# Altium PCB MB1419.PcbDoc (part 1 of 5) (continued)
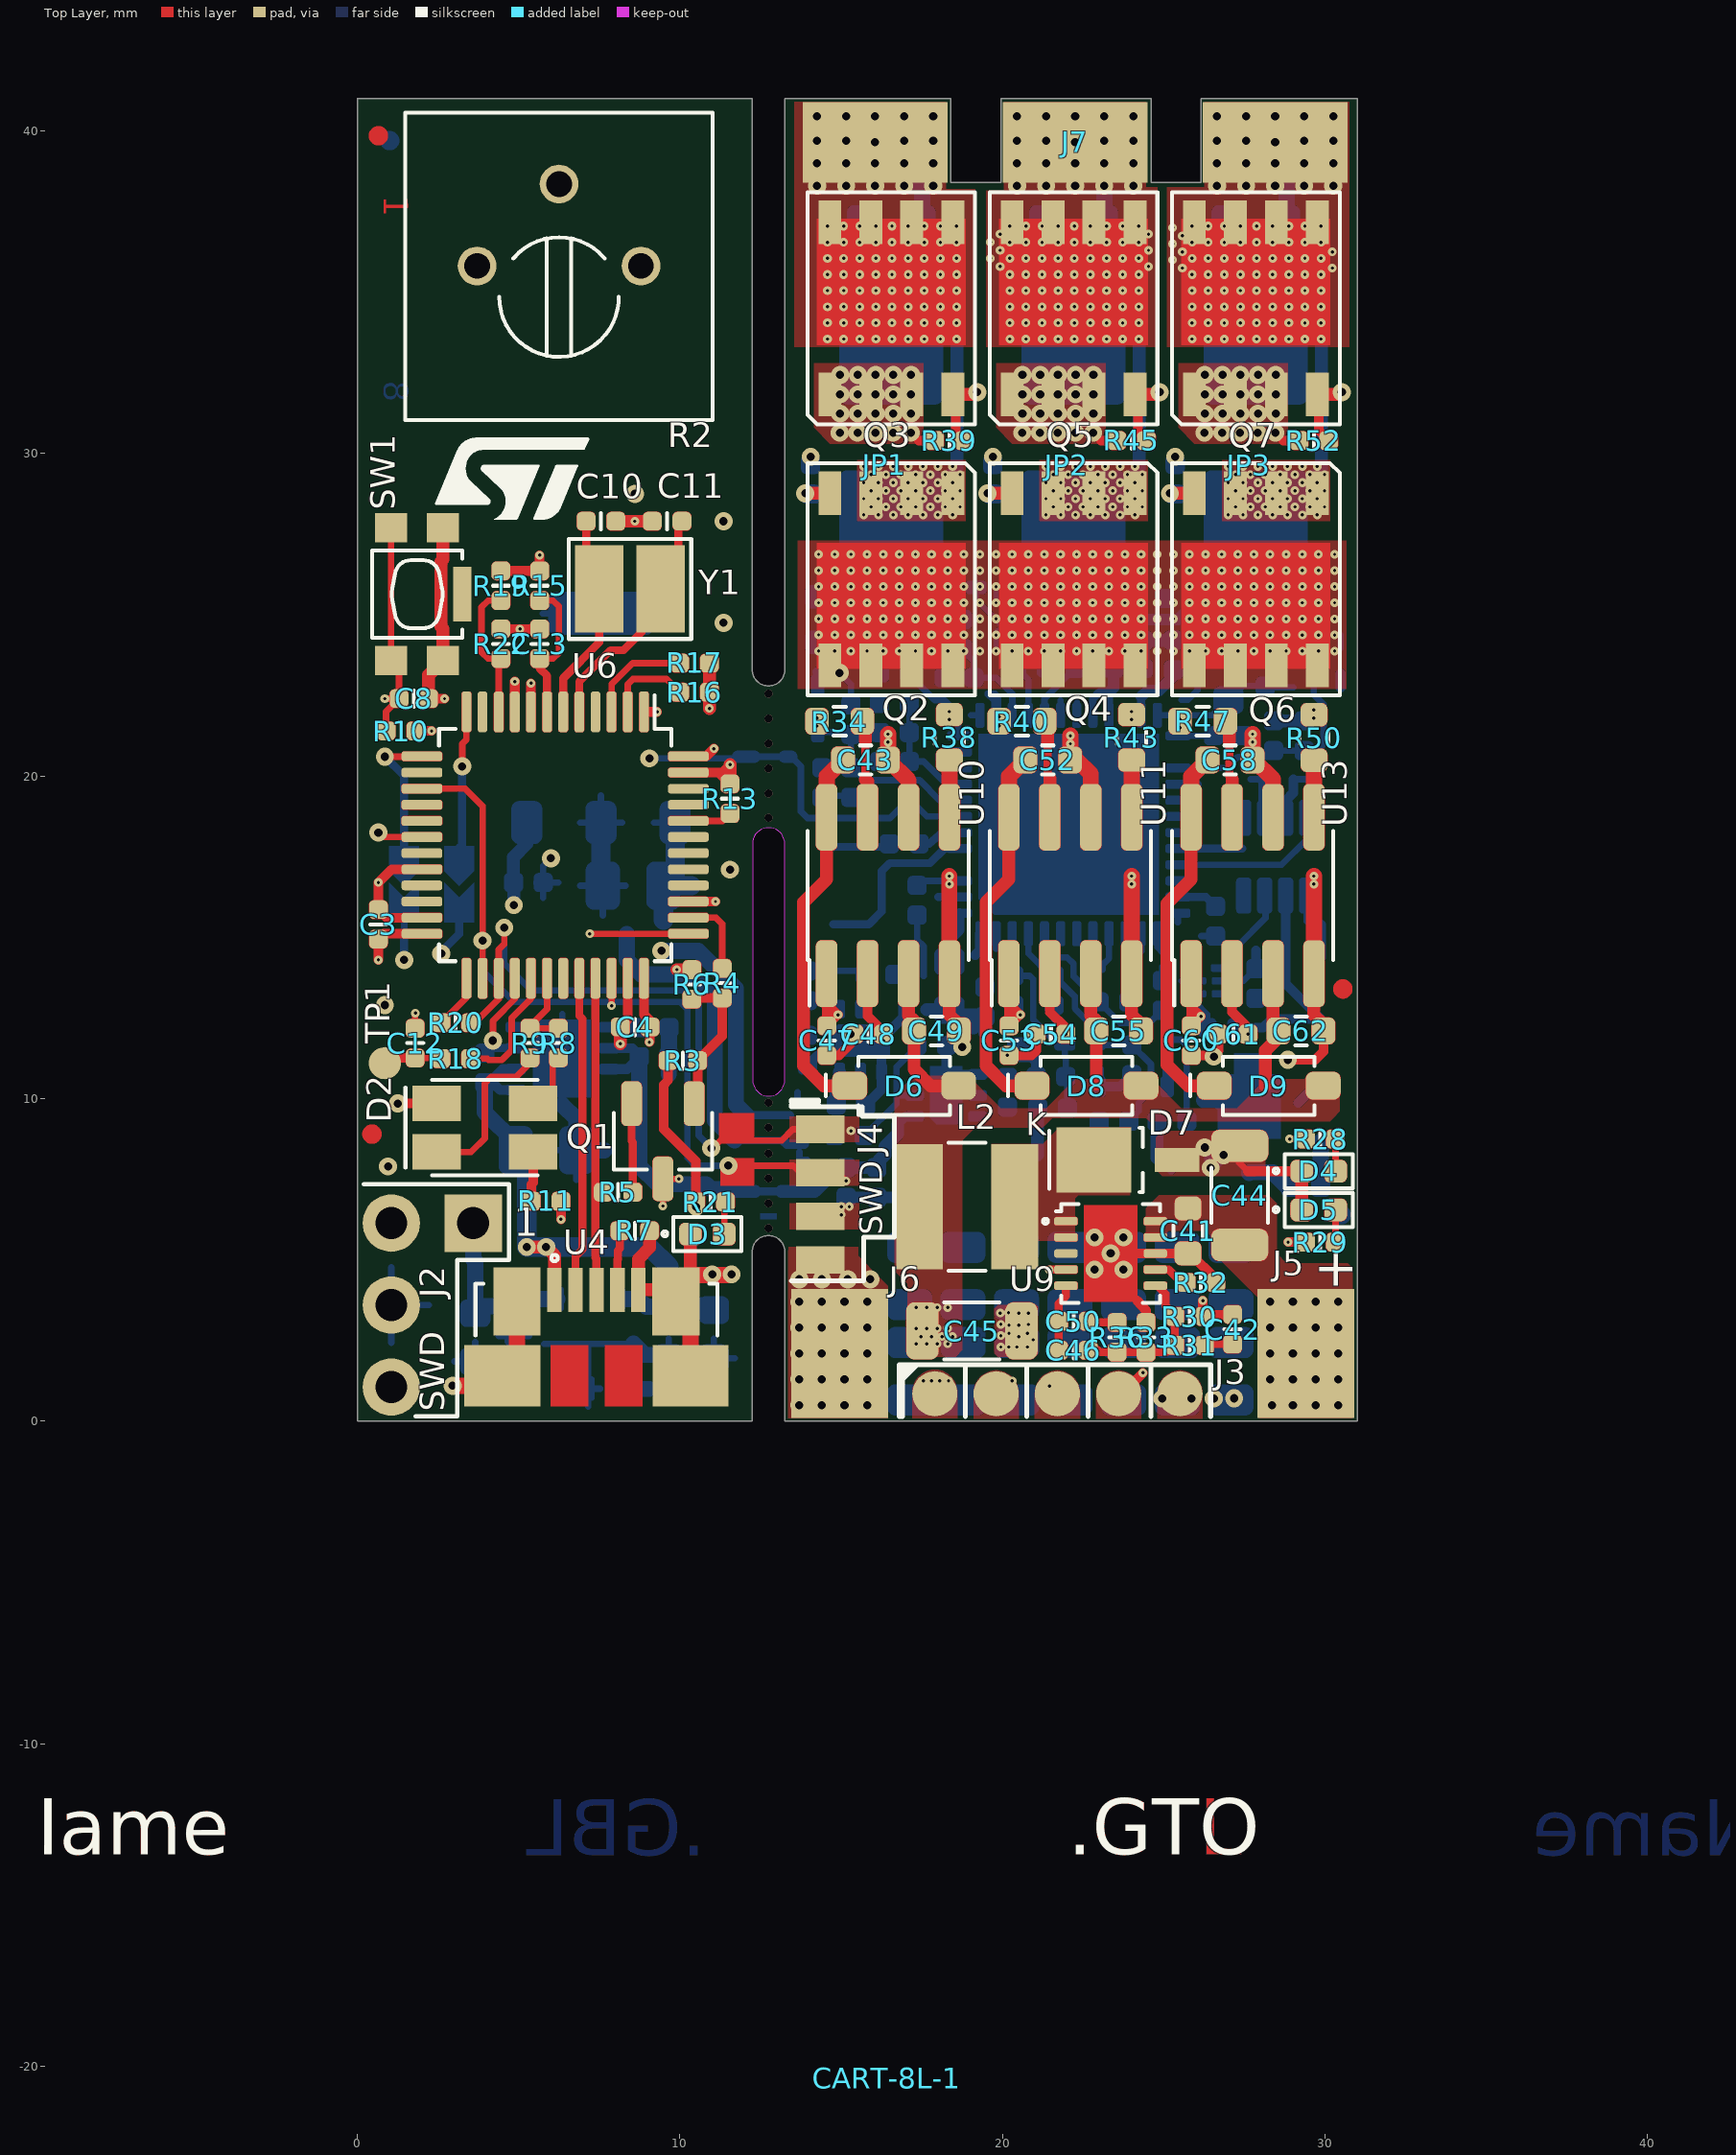
[diagram p0: Top Layer view]
## Components (designator, comment, footprint, x,y, rotation, side; value= is the part's Value field where it differs from the comment) (continued)
U7 "LD39050PU33R" son7p95_300x300x100l40x34t23-1 7.15,2.4 r0 bottom
U8 "STM32G431" qfn49p50_700x700x60l40x25t560n 22.05,18.5 r90 bottom
U9 "L7986TR" son11p50_300x300x100l40x24t2-1 23.35,5.2 r270 top
U10 "L6387ED" SOIC8P127_490X600X175L83X42N 16.45,16.3 r0 top
U11 "L6387ED" SOIC8P127_490X600X175L83X42N 22.1,16.3 r0 top
U12 "LDFPVR" son7p65_200x200x100l25x30t18-1 18.25,10.1 r90 bottom
U13 "L6387ED" SOIC8P127_490X600X175L83X42N 27.75,16.3 r0 top
U14 "LDFPVR" son7p65_200x200x100l25x30t18-1 15.6,11.8 r0 bottom
Y1 "NX3225GD-8MHZ-STD-CRA-3" xtaldfn2_320x250x100l130x230 8.45,25.8 r180 top
Y2 "8Mhz" murata_cstce8m00g15c99-r0 14.75,16.6 r90 bottom

## Footprints (in the part's own frame and the unit in brackets; to place one, negate y for a bottom-side part, rotate by r counter-clockwise, add the part's x,y. Pads: shape width x height; smd on the part's side, far side on the other; paste and mask are expansions set on the pad)
C_0402 [mm] "C_0402"
  rrect52% 0.58x0.58 smd mask+0.05: 1(-0.46,0) 2(0.46,0)
  silkscreen extent 0,-0.25 0,0.25, body extent -0.5,-0.25 0.5,0.25, height 0.55
C_0603 [mm] "C_0603"
  rrect50% 0.84x0.93 smd mask+0.05: 1(-0.745,0) 2(0.745,0)
  silkscreen extent -0.15,-0.45 0.14,0.45, body extent -0.82,-0.41 0.78,0.4, height 0.9
C_0603_HD [mm] "C_0603_HD"
  rrect51% 0.74x0.83 smd mask+0.05: 1(-0.695,0) 2(0.695,0)
  silkscreen extent -0.18,-0.45 0.17,0.45, body extent -0.8,-0.41 0.8,0.41, height 0.9
C_0805 [mm] "C_0805"
  rrect48% 1.05x1.48 smd mask+0.05: 1(-0.94,0) 2(0.94,0)
  silkscreen extent -0.23,-0.73 0.24,0.73, body extent -1,-0.63 1,0.63, height 1.4
C_0805_HD [mm] "C_0805_HD"
  rrect51% 0.95x1.38 smd mask+0.05: 1(-0.89,0) 2(0.89,0)
  silkscreen extent -0.26,-0.73 0.27,0.73, body extent -1,-0.63 1,0.63, height 1.4
C_1206 [mm] "C_1206"
  rrect50% 1x1.77 smd mask+0.05: 1(-1.535,0) 2(1.535,0)
  silkscreen extent -0.85,-0.88 0.85,0.88, body extent -1.6,-0.8 1.6,0.8, height 1.27
conn_micro_USB_B_SMD [mm] "CONN_MICRO_USB_B_SMD"
  rect 1.37x0.45 smd mask+0.05: 1(2.314,1.299) 2(2.314,0.649) 3(2.314,0) 4(2.314,-0.65) 5(2.314,-1.3)
  rect 2.11x1.47 smd mask+0.05: 6(1.946,2.463) 7(1.946,-2.463)
  rect 1.9x2.36 smd mask+0.05: 8(-0.35,2.919) 9(-0.35,-2.919)
  Top Layer region: -1.3,-1.425 0.6,-1.425 0.6,-0.25 -1.3,-0.25
  Top Layer region: -1.3,0.25 0.6,0.25 0.6,1.425 -1.3,1.425
  silkscreen extent 0.9,-3.75 3.4,3.75, body extent -2.81,-3.99 2.62,3.99, height 2.72
conn_motor_out [mm] "CONN_MOTOR_OUT"
  rect 4.5x2.5 / inner round 0.56 / far side rect 4.5x2.5 hole 0.254: 1(-6.2,0) 2(0,0) 3(6.2,0)
D_0402_Led_green [mm] "D_0402_LED_GREEN"
  rrect51% 0.7x0.7 smd mask+0.05: A(0.525,0) C(-0.525,0)
  silkscreen extent -1.39,-0.53 1.06,0.53, body extent -0.5,-0.3 0.5,0.3, height 0.08
D_0402_Led_red [mm] "D_0402_LED_RED"
  rrect51% 0.7x0.7 smd mask+0.05: A(0.525,0) C(-0.525,0)
  silkscreen extent -1.39,-0.53 1.06,0.53, body extent -0.5,-0.25 0.5,0.25, height 0.32
do216-aa-flat [mm] "DO216-AA-FLAT"
  rect 0.85x0.65 smd mask+0.05: A(-1.599,0)
  oct 0.025x0.025 smd: C(0.781,0)
  Top Layer region: -0.544,0.975 1.456,0.975 1.456,0.475 2.106,0.475 2.106,-0.475 1.456,-0.475 1.456,-0.975 -0.544,-0.975 -0.544,0.975
  silkscreen extent -1.51,-1 2.34,1, body extent -1.86,-0.95 1.94,0.95, height 0.85
do216-aa_stmite [mm] "DO216-AA_STMITE"
  rect 1.38x0.75 smd mask+0.05: A(1.555,0)
  rect 2.32x2.03 smd mask+0.05: C(-1.015,0)
  silkscreen extent -2.4,-1 0.5,1, body extent -2,-0.99 1.85,1.01, height 1.01
f_0402 [mm] "F_0402"
  rrect52% 0.58x0.58 smd mask+0.05: 1(0.46,0) 2(-0.46,0)
  silkscreen extent 0,-0.25 0,0.25, body extent -0.49,-0.25 0.5,0.25, height 0.38
ind_Coilcraft-LPS4018 [mm] "IND_COILCRAFT-LPS4018"
  rect 1.45x3.89 smd mask+0.05: 1(-1.475,0) 2(1.475,0)
  silkscreen extent -0.57,-1.99 0.57,1.99, body extent -1.99,-1.99 1.99,1.99, height 1.8
JUMPER_0603_DROP [mil] "JUMPER_0603_DROP"
  oct 1x1 smd: 1(-22.26,0) 2(22.45,0)
  Top Layer region: -46.87,-18.12 1.95,-18.12 -16.16,-0.01 1.95,18.1 -46.87,18.1 -46.87,-18.12
  Top Layer region: 46.66,-18.12 15.95,-18.12 -2.16,-0.01 15.95,18.1 46.66,18.1 46.66,-18.12
  silkscreen extent -59,-30 59,30, body extent -31,-17 31,17, height 20
L_0402 [mm] "L_0402"
  rrect52% 0.58x0.58 smd mask+0.05: 1(0.46,0) 2(-0.46,0)
  silkscreen extent 0,-0.25 0,0.25, body extent -0.5,-0.25 0.5,0.25, height 0.55
Led_bicolor_3528-PLCC-4 [mm] "LED_BICOLOR_3528-PLCC-4"
  rect 1.5x1.1 smd mask+0.05: A1(1.5,0.75) A2(1.5,-0.753) C1(-1.5,0.75) C2(-1.5,-0.753)
  silkscreen extent -2.46,-1.48 1.64,1.48, body extent -1.75,-1.4 1.75,1.4, height 1.91
murata_cstce8m00g15c99-r0 [mm] "MURATA_CSTCE8M00G15C99-R0"
  rect 0.4x2 smd mask+0.05: 1(-1.2,0) 2(0,0) 3(1.2,0)
  silkscreen extent -2.1,-0.65 1.6,0.65, body extent -1.6,-0.65 1.6,0.65, height 0.7
power_flat_5x6 [mm] "POWER_FLAT_5X6"
  rect 0.71x1.35 smd mask+0.05: 1(-1.905,-2.665) 2(-0.635,-2.665) 3(0.635,-2.665) 4(1.905,-2.665) 5(1.905,2.665) 6(0.635,2.665) 7(-0.635,2.665) 8(-1.905,2.665)
  Top Layer region: 2.3,-1.13 2.3,2.77 -2.3,2.77 -2.3,-1.13 2.3,-1.13
  silkscreen extent -2.6,-3.6 2.6,3.6, body extent -2.61,-3.1 2.59,3.05, height 0.98
qfn49p50_700x700x60l40x25t560n [mm] "QFN49P50_700X700X60L40X25T560N"
  rrect52% 0.27x0.76 smd mask+0.05: 1(-2.75,-3.385) 2(-2.25,-3.385) 3(-1.75,-3.385) 4(-1.25,-3.385) 5(-0.75,-3.385) 6(-0.25,-3.385) 7(0.25,-3.385) 8(0.75,-3.385) 9(1.25,-3.385) 10(1.75,-3.385) 11(2.25,-3.385) 12(2.75,-3.385) 25(2.75,3.385) 26(2.25,3.385) 27(1.75,3.385) 28(1.25,3.385) 29(0.75,3.385) 30(0.25,3.385) 31(-0.25,3.385) 32(-0.75,3.385) 33(-1.25,3.385) 34(-1.75,3.385) 35(-2.25,3.385) 36(-2.75,3.385)
  rrect52% 0.76x0.27 smd mask+0.05: 13(3.385,-2.75) 14(3.385,-2.25) 15(3.385,-1.75) 16(3.385,-1.25) 17(3.385,-0.75) 18(3.385,-0.25) 19(3.385,0.25) 20(3.385,0.75) 21(3.385,1.25) 22(3.385,1.75) 23(3.385,2.25) 24(3.385,2.75) 37(-3.385,2.75) 38(-3.385,2.25) 39(-3.385,1.75) 40(-3.385,1.25) 41(-3.385,0.75) 42(-3.385,0.25) 43(-3.385,-0.25) 44(-3.385,-0.75) 45(-3.385,-1.25) 46(-3.385,-1.75) 47(-3.385,-2.25) 48(-3.385,-2.75)
  oct 0.025x0.025 smd mask+0.05: 49(0,0)
  Top Layer region: -2.8,2.8 -2.8,-2.3 -2.3,-2.8 2.8,-2.8 2.8,2.8 -2.8,2.8
  silkscreen extent -3.55,-3.74 3.55,3.55, body extent -3.51,-3.51 3.51,3.51, height 0.78
qfp48p50_900x900x160l60x22n [mm] "QFP48P50_900X900X160L60X22N"
  rrect53% 0.3x1.26 smd mask+0.05: 1(-2.75,-4.13) 2(-2.25,-4.13) 3(-1.75,-4.13) 4(-1.25,-4.13) 5(-0.75,-4.13) 6(-0.25,-4.13) 7(0.25,-4.13) 8(0.75,-4.13) 9(1.25,-4.13) 10(1.75,-4.13) 11(2.25,-4.13) 12(2.75,-4.13) 25(2.75,4.13) 26(2.25,4.13) 27(1.75,4.13) 28(1.25,4.13) 29(0.75,4.13) 30(0.25,4.13) 31(-0.25,4.13) 32(-0.75,4.13) 33(-1.25,4.13) 34(-1.75,4.13) 35(-2.25,4.13) 36(-2.75,4.13)
  rrect53% 1.26x0.3 smd mask+0.05: 13(4.13,-2.75) 14(4.13,-2.25) 15(4.13,-1.75) 16(4.13,-1.25) 17(4.13,-0.75) 18(4.13,-0.25) 19(4.13,0.25) 20(4.13,0.75) 21(4.13,1.25) 22(4.13,1.75) 23(4.13,2.25) 24(4.13,2.75) 37(-4.13,2.75) 38(-4.13,2.25) 39(-4.13,1.75) 40(-4.13,1.25) 41(-4.13,0.75) 42(-4.13,0.25) 43(-4.13,-0.25) 44(-4.13,-0.75) 45(-4.13,-1.25) 46(-4.13,-1.75) 47(-4.13,-2.25) 48(-4.13,-2.75)
  silkscreen extent -3.6,-4.64 3.6,3.6, body extent -4.5,-4.5 4.5,4.5, height 1.45
R_0402 [mm] "R_0402"
  rrect52% 0.58x0.58 smd mask+0.05: 1(-0.46,0) 2(0.46,0)
  silkscreen extent 0,-0.25 0,0.25, body extent -0.5,-0.25 0.5,0.25, height 0.4
r_0402 [mm] "R_0402"
  rrect52% 0.58x0.58 smd mask+0.05: 1(-0.46,0) 2(0.46,0)
  silkscreen extent 0,-0.25 0,0.25, body extent -0.5,-0.25 0.5,0.25, height 0.4
R_0603 [mm] "R_0603"
  rrect50% 0.84x0.93 smd mask+0.05: 1(-0.745,0) 2(0.745,0)
  silkscreen extent -0.15,-0.45 0.14,0.45, body extent -0.79,-0.43 0.79,0.42, height 0.5
R_0603_HD [mm] "R_0603_HD"
  rrect50% 0.72x0.83 smd mask+0.05: 1(-0.705,0) 2(0.705,0)
  silkscreen extent -0.19,-0.45 0.2,0.45, body extent -0.79,-0.43 0.79,0.43, height 0.5
R_0805 [mm] "R_0805"
  rrect49% 0.81x1.38 smd mask+0.05: 1(0.96,0) 2(-0.96,0)
  silkscreen extent -0.38,-0.68 0.38,0.68, body extent -1,-0.63 1,0.63, height 0.7
resc635x300x60l193n [mm] "RESC635X300X60L193N"
  rrect18% 2.78x3.22 smd mask+0.05: 1(-2.415,0) 2(2.415,0)
  silkscreen extent -0.84,-1.6 0.84,1.6, body extent -3.15,-1.58 3.15,1.58, height 0.7
Sheetbox_8L2S [mil] "Sheetbox 8 layers / 2 silkscreens"
  round 20 on Mech16: 1(813.5,208.05) 1(2736.63,208.05)
SHORT [mm] "SHORT"
  rect 0.462x0.2 on Mid4: 1(-0.226,0) 2(0.201,0)
SOD_123 [mm] "SOD_123"
  rrect51% 1.08x0.86 smd mask+0.05: A(1.69,0) C(-1.69,0)
  silkscreen extent -2.43,-0.9 1.42,0.9, body extent -1.85,-0.8 1.85,0.8, height 1.27
sodfl160x80x65l30x30n [mm] "SODFL160X80X65L30X30N"
  rrect50% 0.64x0.4 smd mask+0.05: A(0.73,0) C(-0.73,0)
  silkscreen extent -1.23,-0.43 0.63,0.43, body extent -0.8,-0.4 0.8,0.4, height 0.65
SOIC8P127_490X600X175L83X42N [mm] "SOIC8P127_490X600X175L83X42N"
  rrect52% 0.66x2.07 smd mask+0.05: 1(-1.905,-2.425) 2(-0.635,-2.425) 3(0.635,-2.425) 4(1.905,-2.425) 5(1.905,2.425) 6(0.635,2.425) 7(-0.635,2.425) 8(-1.905,2.425)
  silkscreen extent -2.5,-3.41 2.5,2, body extent -2.45,-3 2.45,3, height 1.75
SOLDER_PAD_4PIN_rect_SMD [mm] "SOLDER_PAD_4PIN_RECT_SMD"
  rect 0.85x1.5 smd paste-100 mask+0.05: 1(0,0) 2(1.35,0) 3(2.7,0) 4(4.05,0)
SOLDER_PAD_4PIN_SMD [mm] "SOLDER_PAD_4PIN_SMD"
  round 1.4 smd paste-100 mask+0.05: 1(0,0) 2(1.9,0) 3(3.8,0) 4(5.7,0)
SOLDER_PAD_5PIN_SMD [mm] "SOLDER_PAD_5PIN_SMD"
  round 1.4 smd paste-2.54 mask+0.05: 1(0,0) 2(1.9,0) 3(3.8,0) 4(5.7,0) 5(7.6,0)
son6p40_120x100x55l35x20 [mm] "SON6P40_120X100X55L35X20"
  rrect55% 0.22x0.69 smd mask+0.04: 1(-0.4,-0.405)
  rrect55% 0.22x0.66 smd mask+0.04: 2(0,-0.42) 3(0.4,-0.42) 4(0.4,0.42) 5(0,0.42) 6(-0.4,0.42)
  silkscreen extent -0.69,-0.69 0.69,0.53, body extent -0.6,-0.55 0.6,0.55, height 0.55
son7p65_200x200x100l25x30t18-1 [mm] "SON7P65_200X200X100L25X30T18-1"
  rrect50% 0.32x0.56 smd mask+0.05: 1(-0.65,-0.975) 2(0,-0.975) 3(0.65,-0.975) 4(0.65,0.975) 5(0,0.975) 6(-0.65,0.975)
  oct 0.025x0.025 smd paste-100 mask+0: 7(0,0)
  Top Layer region: -0.9,0.5 -0.9,-0.3 -0.7,-0.5 0.9,-0.5 0.9,0.5 -0.9,0.5
  silkscreen extent -1.08,-1.2 1.08,1, body extent -1,-1 1,1, height 0.75
son7p95_300x300x100l40x34t23-1 [mm] "SON7P95_300X300X100L40X34T23-1"
  rrect50% 0.4x0.75 smd mask+0.05: 1(0.95,1.39) 2(0,1.39) 3(-0.95,1.39) 4(-0.95,-1.39) 5(0,-1.39) 6(0.95,-1.39)
  rect 2.365x1.625 smd paste-100 mask+0.05: 7(0,0)
  silkscreen extent -1.55,-1.55 1.55,2.03, body extent -1.5,-1.55 1.5,1.55, height 0.75
son9p65_300x300x90l30x30t240-1 [mm] "SON9P65_300X300X90L30X30T240-1"
  rrect50% 0.32x0.61 smd mask+0.05: 1(-0.975,-1.445) 2(-0.325,-1.445) 3(0.325,-1.445) 4(0.975,-1.445) 5(0.975,1.445) 6(0.325,1.445) 7(-0.325,1.445) 8(-0.975,1.445)
  oct 0.025x0.025 smd paste-100 mask+0: 9(0,0)
  Top Layer region: -1.2,0.9 -1.2,-0.6 -0.9,-0.9 1.2,-0.9 1.2,0.9 -1.2,0.9
  silkscreen extent -1.53,-1.69 1.53,1.53, body extent -1.5,-1.55 1.5,1.55, height 1
son11p50_300x300x100l40x24t2-1 [mm] "SON11P50_300X300X100L40X24T2-1"
  rrect54% 0.26x0.73 smd mask+0.05: 1(-1,-1.385) 2(-0.5,-1.385) 3(0,-1.385) 4(0.5,-1.385) 5(1,-1.385) 6(1,1.385) 7(0.5,1.385) 8(0,1.385) 9(-0.5,1.385) 10(-1,1.385)
  oct 0.025x0.025 smd paste-100: 11(0,0)
  Top Layer region: 1.5,-0.82 1.5,0.82 -1.5,0.82 -1.5,-0.82 1.5,-0.82
  silkscreen extent -1.53,-2.09 1.53,1.53, body extent -1.5,-1.55 1.5,1.55, height 1
sot23-3p97_255x140l40x40n [mm] "SOT23-3P97_255X140L40X40N"
  rrect50% 0.64x1.38 smd mask+0.05: 1(-0.97,-1.165) 2(0.97,-1.165) 3(0,1.165)
  silkscreen extent -1.52,-0.88 1.52,0.88, body extent -1.45,-1.4 1.45,1.4, height 1.45
sot23-8p65_280x145l45x30n [mm] "SOT23-8P65_280X145L45X30N"
  rrect52% 0.46x1.11 smd mask+0.045: 1(-0.975,-1.205) 2(-0.325,-1.205) 3(0.325,-1.205) 4(0.975,-1.205) 5(0.975,1.205) 6(0.325,1.205) 7(-0.325,1.205) 8(-0.975,1.205)
  silkscreen extent -1.5,-1.7 1.5,0.88, body extent -1.47,-1.4 1.47,1.4, height 1.2
sot223-4p230_700x190l65x72 [mm] "SOT223-4P230_700X190L65X72"
  rrect51% 0.95x1.32 smd mask+0.05: 1(2.3,3.24) 2(0,3.24) 3(-2.3,3.24)
  rrect36% 3.25x1.32 smd mask+0.05: 4(0,-3.24)
  silkscreen extent -3.35,-1.85 3.35,3.84, body extent -3.25,-3.44 3.25,3.56, height 1.66
strip4_100m_v [mil] "STRIP4_100M_V"
  rect 70x70 hole 39 mask+3.94: 1(0,100)
  round 70 hole 39 mask+3.94: 2(0,0) 3(100,0) 4(200,0)
switch_SMT_4_2x2_8mm [mm] "SWITCH_SMT_4_2X2_8MM"
  rect 0.9x1 smd mask+0.05: 1(-2.056,0.805) 2(2.056,0.805) 3(-2.056,-0.805) 4(2.056,-0.805)
  rect 1.7x0.56 smd mask+0.05: " "(0,1.4)
  silkscreen extent -1.35,-1.4 1.35,1.4, body extent -2.31,-1.39 2.29,1.41, height 1.92
test_point_100_smd [mm] "TEST_POINT_100_SMD"
  round 1 smd paste-100 mask+0.05: 1(0,0)
trimmer-3386P_T [mm] "TRIMMER-3386P_T"
  round 1.2 hole 0.8 mask+0.1: 1(2.54,-0.015) 2(0,-2.555) 3(-2.54,-0.015)
  silkscreen extent -4.76,-4.76 4.76,4.76, body extent -4.8,-4.85 4.78,4.73, height 10.55
wire1_220s [mm] "WIRE1_220S"
  rect 3x4 smd paste-100 mask+0.05: 1(0,0)
xtaldfn2_320x250x100l130x230 [mm] "XTALDFN2_320X250X100L130X230"
  rect 1.5x2.7 smd mask+0.05: 1(-0.95,0) 2(0.95,0)
  silkscreen extent -1.9,-1.55 1.9,1.55, body extent -1.61,-1.25 1.59,1.25, height 1.01

## Part data
C1 C2 C3 C4 C5 C9 C17 C18 C20 C21 C22 C23 C24: library part CAP_Dup1, "CAP CER 0.1UF 16V X7R 0402", Dielectric Type=Capacitors, Manufacturer="Wurth Electronics Inc.", Manufacturer PN=885012205037, Package Size="0402 (1005 Metric)", Rated Voltage=16V, Temperature Coefficient=X7R, Tolerance=10%, CLASS=DISCRETE, PART_NUMBER=CAP-00000053
C6: library part CAP_Dup1, "CAP CER 10UF 16V X5R 0805", Dielectric Type=Capacitors, Manufacturer="Wurth Electronics Inc.", Manufacturer PN=885012107014, Package Size="0805 (2012 Metric)", Rated Voltage=16V, Temperature Coefficient=X5R, Tolerance=20%, CLASS=DISCRETE, PART_NUMBER=TMP-409
C7: library part CAP_Dup1, "CAP CER 4.7UF 16V X5R 0805", Dielectric Type=Capacitors, Manufacturer="Wurth Electronics Inc.", Manufacturer PN=885012107013, Package Size="0805 (2012 Metric)", Rated Voltage=16V, Temperature Coefficient=X5R, Tolerance=20%, CLASS=DISCRETE, PART_NUMBER=TMP-410
C8: library part CAP_Dup1, "CAP CER 100PF 10V C0G/NP0 0402", Dielectric Type=Capacitors, Manufacturer="Wurth Electronics Inc.", Manufacturer PN=885012005013, Package Size="0402 (1005 Metric)", Rated Voltage=10V, Temperature Coefficient="C0G, NP0", Tolerance=5%, CLASS=DISCRETE, PART_NUMBER=TMP-412
C10 C11: library part CAP_7, "CAP CER 10PF 10V C0G/NP0 0402", Dielectric Type=Capacitors, Manufacturer="Wurth Electronics Inc.", Manufacturer PN=885012005007, Package Size="0402 (1005 Metric)", Rated Voltage=10V, Temperature Coefficient="C0G, NP0", Tolerance=5%, CLASS=DISCRETE, PART_NUMBER=TMP-395
C12: library part CAP_6, "CAP CER 0402-NOT MOUNTED", Package Size="0402 (1005 Metric)", CLASS=DISCRETE, PART_NUMBER=TMP-408
C13: library part CAP_8, "CAP CER 0.1UF 16V X7R 0402", Dielectric Type=Capacitors, Manufacturer="Wurth Electronics Inc.", Manufacturer PN=885012205037, Package Size="0402 (1005 Metric)", Rated Voltage=16V, Temperature Coefficient=X7R, Tolerance=10%, CLASS=DISCRETE, PART_NUMBER=CAP-00000053
C14 C16: library part CAP_Dup1, "CAP CER 1UF 16V X5R 0603", Dielectric Type=Capacitors, Manufacturer=Yageo, Manufacturer PN=CC0603KRX5R7BB105, Package Size="0603 (1608 Metric)", Rated Voltage=16V, Temperature Coefficient=X5R, Tolerance=10%, CLASS=DISCRETE, PART_NUMBER=TMP-302
C15: library part CAP_Dup1, "CAP CER 0.1UF 16V X7R 0603", Dielectric Type=Capacitors, Manufacturer="Wurth Electronics Inc.", Manufacturer PN=885012206046, Package Size="0603 (1608 Metric)", Rated Voltage=16V, Temperature Coefficient=X7R, Tolerance=10%, CLASS=DISCRETE, PART_NUMBER=CAP-00000052
C19: library part CAP_Dup1, "CAP CER 4.7UF 10V X5R 0603", Dielectric Type=Capacitors, Manufacturer="Wurth Electronics Inc.", Manufacturer PN=885012106012, Package Size="0603 (1608 Metric)", Rated Voltage=10V, Temperature Coefficient=X5R, Tolerance=20%, CLASS=DISCRETE, PART_NUMBER=TMP-414
C25 C56 C63: library part CAP_Dup1, "CAP CER 1UF 25V X5R 0402", Dielectric Type=Capacitors, Manufacturer="Murata Electronics North America", Manufacturer PN=GRM155R61E105KA12D, Package Size="0402 (1005 Metric)", Rated Voltage=25V, Temperature Coefficient=X5R, Tolerance=10%, CLASS=DISCRETE, PART_NUMBER=CAP-00000006
C26: library part CAP_Dup1, "CAP CER 10000PF 16V X7R 0402", Dielectric Type=Capacitors, Manufacturer="Wurth Electronics Inc.", Manufacturer PN=885012205031, Package Size="0402 (1005 Metric)", Rated Voltage=16V, Temperature Coefficient=X7R, Tolerance=10%, CLASS=DISCRETE, PART_NUMBER=TMP-422
C27 C28 C29 C30 C31 C32 C33 C34 C35 C36 C37 C38 C39 C40: library part CAP_Dup1, "CAP CER 15UF 35V X5R 0805", Dielectric Type=Capacitors, Manufacturer="TDK Corporation", Manufacturer PN=C2012X5R1V156M125AC, Package Size="0805 (2012 Metric)", Rated Voltage=35V, Temperature Coefficient=X5R, Tolerance=20%, ALT_SYMBOLS=C_0805_hd, CLASS=DISCRETE, PART_NUMBER=TMP-773
C41: library part CAP_Dup1, "CAP CER 0.22UF 50V X7R 0603", Dielectric Type=Capacitors, Manufacturer="TDK Corporation", Manufacturer PN=CGA3E3X7R1H224K080AD, Package Size="0603 (1608 Metric)", Rated Voltage=50V, Temperature Coefficient=X7R, Tolerance=10%, ALT_SYMBOLS=c_0603_hd, CLASS=DISCRETE, PART_NUMBER=TMP-138
C42: library part CAP_Dup1, "CAP CER 3900PF 16V X7R 0402", Dielectric Type=Capacitors, Manufacturer=KEMET, Manufacturer PN=C0402C392K4RAC7867, Package Size="0402 (1005 Metric)", Rated Voltage=16V, Temperature Coefficient=X7R, Tolerance=10%, CLASS=DISCRETE, PART_NUMBER=TMP-419
C43 C52 C58: library part CAP_Dup1, "CAP CER 1UF 25V X7R 0603", Dielectric Type=Capacitors, Manufacturer="Wurth Electronics Inc.", Manufacturer PN=885012206076, Package Size="0603 (1608 Metric)", Rated Voltage=25V, Temperature Coefficient=X7R, Tolerance=10%, ALT_SYMBOLS=c_0603_hd, CLASS=DISCRETE, PART_NUMBER=TMP-446
C44: library part CAP_Dup1, "CAP CER 10UF 50V X7R 1206", Dielectric Type=Capacitors, Manufacturer="Samsung Electro-Mechanics America, Inc.", Manufacturer PN=CL31B106KBHNNNE, Package Size="1206 (3216 Metric)", Rated Voltage=50V, Temperature Coefficient=X7R, Tolerance=10%, CLASS=DISCRETE, PART_NUMBER=CAP-00000016
C45: library part CAP_Dup1, "CAP CER 22UF 25V X5R 1206", Dielectric Type=Capacitors, Manufacturer="Samsung Electro-Mechanics", Manufacturer PN=CL31A226KAHNNNE, Package Size="1206 (3216 Metric)", Rated Voltage=25V, Temperature Coefficient=X5R, Tolerance=20%, CLASS=DISCRETE, PART_NUMBER=TMP-421
C46: library part CAP_Dup1, "CAP CER 27PF 25V C0G/NP0 0402", Dielectric Type=Capacitors, Manufacturer=YAGEO, Manufacturer PN=CC0402JRNPO9BN270, Package Size="0402 (1005 Metric)", Rated Voltage=25V, Temperature Coefficient="C0G, NP0", Tolerance=5%, CLASS=DISCRETE, PART_NUMBER=TMP-416
C47 C48 C53 C54 C60 C61: library part CAP_Dup1, "CAP CER 100PF 25V X7R 0402", Dielectric Type=Capacitors, Manufacturer="Wurth Electronics Inc.", Manufacturer PN=885012205038, Package Size="0402 (1005 Metric)", Rated Voltage=25V, Temperature Coefficient=X7R, Tolerance=10%, CLASS=DISCRETE, PART_NUMBER=TMP-426
C49 C55 C62: library part CAP_Dup1, "CAP CER 0.47UF 25V X7R 0603", Dielectric Type=Capacitors, Manufacturer="Wurth Electronics Inc.", Manufacturer PN=885012206075, Package Size="0603 (1608 Metric)", Rated Voltage=25V, Temperature Coefficient=X7R, Tolerance=10%, ALT_SYMBOLS=c_0603_hd, CLASS=DISCRETE, PART_NUMBER=TMP-428
C50: library part CAP_Dup1, "CAP CER 4700PF 16V X7R 0402", Dielectric Type=Capacitors, Manufacturer="Wurth Electronics Inc.", Manufacturer PN=885012205029, Package Size="0402 (1005 Metric)", Rated Voltage=16V, Temperature Coefficient=X7R, Tolerance=10%, CLASS=DISCRETE, PART_NUMBER=TMP-417
C51 C59 C65: library part CAP_Dup1, "CAP CER 10000PF 100V X7R 0603", Dielectric Type=Capacitors, Manufacturer=YAGEO, Manufacturer PN=CC0603KRX7R0BB103, Package Size="0603 (1608 Metric)", Rated Voltage=100V, Temperature Coefficient=X7R, Tolerance=20%, CLASS=DISCRETE, PART_NUMBER=CAP-00000040
C57 C64: library part CAP_Dup1, "CAP CER 2.2UF 10V X5R 0402", Dielectric Type=Capacitors, Manufacturer="Wurth Electronics Inc.", Manufacturer PN=885012105013, Package Size="0402 (1005 Metric)", Rated Voltage=10V, Temperature Coefficient=X5R, Tolerance=20%, CLASS=DISCRETE, PART_NUMBER=TMP-449
C66: library part CAP_Dup1, "CAP CER 10000PF 10V X7R 0402", Dielectric Type=Capacitors, Manufacturer="Wurth Electronics Inc.", Manufacturer PN=885012205012, Package Size="0402 (1005 Metric)", Rated Voltage=10V, Temperature Coefficient=X7R, Tolerance=10%, CLASS=DISCRETE, PART_NUMBER=CAP-00000003
C67 C68 C69: library part CAP, "CAP CER 10PF 10V C0G/NP0 0402", Dielectric Type=Capacitors, Manufacturer="Wurth Electronics Inc.", Manufacturer PN=885012005007, Package Size="0402 (1005 Metric)", Rated Voltage=10V, Temperature Coefficient="C0G, NP0", Tolerance=5%, CLASS=DISCRETE, PART_NUMBER=TMP-395
C70: library part CAP_4, "CAP CER 0.1UF 16V X7R 0402", Dielectric Type=Capacitors, Manufacturer="Wurth Electronics Inc.", Manufacturer PN=885012205037, Package Size="0402 (1005 Metric)", Rated Voltage=16V, Temperature Coefficient=X7R, Tolerance=10%, CLASS=DISCRETE, PART_NUMBER=CAP-00000053
D1: library part DIODE_SCHOTTKY_0, "DIODE SCHOTTKY 20V 1A STMITEFLAT", Manufacturer=STMicroelectronics, Package Size=DO-222AA, Rated Voltage="430mV @ 1A", CLASS=DISCRETE, Manufacturer PN=STPS1L20MF, PART_NUMBER=TMP-380
D2: library part LED_BICOLOR, "LED GREEN/RED CLEAR 4PLCC SMD", Manufacturer="Wurth Electronics Inc.", Manufacturer PN=150141RV73100, Package Size=4-PLCC, CLASS=DISCRETE, PART_NUMBER=TMP-705
D3 D5: library part LED, "LED GREEN 0402 SMD", Manufacturer="Everlight Electronics", Manufacturer PN=16-213SYGC/S530-E3/TR8, Package Size="0402 (1005 Metric)", CLASS=DISCRETE, PART_NUMBER=TMP-187
D4: library part LED, "DIO, Rectangle with Flat Top, 1.00mm x 0.50mm, VLMS1500-GS08, 20mA, --, --, 0402 (1005 Metric)", Manufacturer="Vishay Semiconductor Opto Division", Manufacturer PN=VLMS1500-GS08, Package Size="0402 (1005 Metric)", CLASS=DISCRETE, PART_NUMBER=DIO-00000003
D6 D8 D9: library part DIODE_SCHOTTKY_0, "DIODE SCHOTTKY 60V 500MA SOD123", Manufacturer=STMicroelectronics, Package Size=SOD-123, Rated Voltage="530mV @ 500mA", CLASS=DISCRETE, Manufacturer PN=STPS0560Z, PART_NUMBER=TMP-373
D7: library part DIODE_SCHOTTKY_0, "DIODE SCHOTTKY 40V 1A STMITE", Manufacturer=STMicroelectronics, Package Size=DO-216AA, Rated Voltage="460mV @ 1A", CLASS=DISCRETE, Manufacturer PN=STPS1L40M, PART_NUMBER=TMP-372
D10 D11 D12 D13 D14 D15 D16 D17 D18 D19: library part DIODE_SCHOTTKY_0, "DIODE SCHOTTKY 30V 300MA SOD523", Manufacturer=STMicroelectronics, Package Size="SC-79, SOD-523", Rated Voltage="530mV @ 300mA", CLASS=DISCRETE, Manufacturer PN=BAT30KFILM, PART_NUMBER=TMP-46
D20: library part DIODE_TRANSIL_UNI_0, "TVS DIODE 26VWM 53.5VC DO222AA", Manufacturer=STMicroelectronics, Manufacturer PN=SMM4F26A-TR, Package Size="DO-216AA FLAT", CLASS=DISCRETE, PART_NUMBER=TMP-376
F1: library part FUSE, "FUSE BOARD MNT 250MA 32VDC 0402", Manufacturer="Littelfuse Inc.", Manufacturer Code=0435.250KRS, Package Size="0.039\" L x 0.020\" W x 0.013\" H (0.99mm x 0.51mm x 0.33mm)", CLASS=DISCRETE, Manufacturer PN=0435.250KRS, PART_NUMBER=TMP-439, RS/Distrelec/Other Code="MOUSER: 576-0435.250KRS"
J1 J2 J4: library part CON4, "SOLDER PADS"
J3 J8: library part CON5, "SOLDER PADS"
J5 J6: "SOLDER PADS"
J7: library part CON3, "SOLDER PADS"
JP1 JP2 JP3: library part SHORT, "2 PIN SHORTED TO CONNECT DIFFERENT NETS", CLASS=DISCRETE, PART_NUMBER=TMP-442
L1: library part IND_FB, "FERRITE BEAD 600 OHM 0402 1LN", Manufacturer="Murata Electronics North America", Manufacturer PN=BLM15BX601SN1D, Package Size="0402 (1005 Metric)", CLASS=DISCRETE, PART_NUMBER=TMP-492
L2: library part IND, "Fixed Inductors LPS4018 Low Profile 33uH 0.8A 20% SMD", Manufacturer=Coilcraft, Manufacturer PN=LPS4018-333MRB, Package Size=3.9x3.9x1.7, Tolerance=20%, CLASS=DISCRETE, PART_NUMBER=TMP-377
Q1: library part BJT_NPN_BEC, "TRANS NPN 60V 1A SOT-23", Manufacturer=STMicroelectronics, Package Size="TO-236-3, SC-59, SOT-23-3", CLASS=DISCRETE, Manufacturer PN=2STR1160, PART_NUMBER=TMP-433, Polarity=NPN
Q2 Q3 Q4 Q5 Q6 Q7: library part MOSFET_N_DIODE_SSSGDDDD, "N-channel 60 V, 1.9 mO typ., 120 A STripFET™ F7", Manufacturer=STMicroelectronics, Package Size="PowerFLAT 5x6", Rated Voltage=60V, CLASS=DISCRETE, Manufacturer PN=STL180N6F7, PART_NUMBER=TMP-772
R1: library part RES, "RES SMD 120 OHM 1% 1/16W 0402", Manufacturer=Yageo, Manufacturer PN=RC0402FR-07120RL, Package Size="0402 (1005 Metric)", Rated Power="0.063W, 1/16W", Temperature Coefficient=100ppm/C, Tolerance=1%, CLASS=DISCRETE, PART_NUMBER=TMP-441
R2: library part POT, "TRIMMER 10K OHM 0.5W PC PIN", Manufacturer="Bourns Inc.", Manufacturer PN=3386P-1-103TLF, Package Size="Square - 0.375\" x 0.375\" Face x 0.190\" H (9.53mm x 9.53mm x 4.83mm)", Rated Power="0.5W, 1/2W", Temperature Coefficient=100ppm/C, Tolerance=10%, CLASS=DISCRETE, PART_NUMBER=TMP-491
R3 R10 R12 R16 R35 R39 R41 R45 R46 R48 R52 R53 R71 R72 R73: library part RES, "RES SMD 10K OHM 1% 1/16W 0402", Manufacturer=Yageo, Manufacturer PN=RC0402FR-0710KL, Package Size="0402 (1005 Metric)", Rated Power="0.063W, 1/16W", Temperature Coefficient=100ppm/C, Tolerance=1%, CLASS=DISCRETE, PART_NUMBER=TMP-396
R4 R8 R9 R18 R20: library part RES, "RES SMD 100 OHM 1% 1/16W 0402", Manufacturer="TE Connectivity Passive Product", Manufacturer PN=CRG0402F100R, Package Size="0402 (1005 Metric)", Rated Power="0.063W, 1/16W", Temperature Coefficient=100ppm/C, Tolerance=1%, CLASS=DISCRETE, PART_NUMBER=TMP-406
R5 R67 R69 R70: library part RES, "RES SMD 1.5K OHM 1% 1/16W 0402", Manufacturer=Yageo, Manufacturer PN=RC0402FR-071K5L, Package Size="0402 (1005 Metric)", Rated Power="0.063W, 1/16W", Temperature Coefficient=100ppm/C, Tolerance=1%, CLASS=DISCRETE, PART_NUMBER=TMP-393
R6: library part RES, "RES SMD 36K OHM 1% 1/16W 0402", Manufacturer=Yageo, Manufacturer PN=RC0402FR-0736KL, Package Size="0402 (1005 Metric)", Rated Power="0.063W, 1/16W", Temperature Coefficient=100ppm/C, Tolerance=1%, CLASS=DISCRETE, PART_NUMBER=TMP-436
R7 R13 R15: library part RES, "RES SMD 100K OHM 1% 1/16W 0402", Manufacturer="TE Connectivity Passive Product", Manufacturer PN=CRG0402F100K, Package Size="0402 (1005 Metric)", Rated Power="0.063W, 1/16W", Temperature Coefficient=100ppm/C, Tolerance=1%, CLASS=DISCRETE, PART_NUMBER=TMP-405
R11 R26: library part RES, "RES SMD 0 OHM JUMPER 1/16W 0402", Manufacturer="Vishay Dale", Manufacturer PN=CRCW04020000Z0ED, Package Size="0402 (1005 Metric)", Rated Power="0.063W, 1/16W", Temperature Coefficient=-, Tolerance=Jumper, CLASS=DISCRETE, PART_NUMBER=RES-00000073
R14: library part RES, "RES SMD 2.7K OHM 1% 1/16W 0402", Manufacturer=Yageo, Manufacturer PN=RC0402FR-072K7L, Package Size="0402 (1005 Metric)", Rated Power="0.063W, 1/16W", Temperature Coefficient=100ppm/C, Tolerance=1%, CLASS=DISCRETE, PART_NUMBER=TMP-411
R17: library part RES, "RES SMD 0402 - NOT MOUNTED", Package Size="0402 (1005 Metric)", CLASS=DISCRETE, PART_NUMBER=TMP-404
R19 R22 R30 R60: library part RES, "RES SMD 4.7K OHM 1% 1/16W 0402", Manufacturer="TE Connectivity Passive Product", Manufacturer PN=CRG0402F4K7, Package Size="0402 (1005 Metric)", Rated Power="0.063W, 1/16W", Temperature Coefficient=100ppm/C, Tolerance=1%, CLASS=DISCRETE, PART_NUMBER=TMP-403
R21: library part RES, "RES SMD 1K OHM 1% 1/16W 0402", Manufacturer=Yageo, Manufacturer PN=RC0402FR-071KL, Package Size="0402 (1005 Metric)", Rated Power="0.063W, 1/16W", Temperature Coefficient=100ppm/C, Tolerance=1%, ALT_SYMBOLS=r_0402_hd, CLASS=DISCRETE, PART_NUMBER=TMP-352
R23 R24: library part RES, "RES SMD 0 OHM JUMPER 1/10W 0603", Manufacturer="Panasonic Electronic Components", Manufacturer PN=ERJ-3GEY0R00V, Package Size="0603 (1608 Metric)", Rated Power="0.1W, 1/10W", Temperature Coefficient=-, Tolerance=Jumper, CLASS=DISCRETE, PART_NUMBER=RES-00000056
R27: library part RES, "RES SMD 220 OHM 1% 1/16W 0402", Manufacturer=Yageo, Manufacturer PN=RC0402FR-07220RL, Package Size="0402 (1005 Metric)", Rated Power="0.063W, 1/16W", Temperature Coefficient=100ppm/C, Tolerance=1%, CLASS=DISCRETE, PART_NUMBER=TMP-437
R28 R29: library part RES, "RES SMD 510 OHM 1% 1/16W 0402", Manufacturer=Yageo, Manufacturer PN=RC0402FR-07510RL, Package Size="0402 (1005 Metric)", Rated Power="0.063W, 1/16W", Temperature Coefficient=100ppm/C, Tolerance=1%, CLASS=DISCRETE, PART_NUMBER=TMP-438
R31: library part RES, "RES SMD 62 OHM 1% 1/16W 0402", Manufacturer=Yageo, Manufacturer PN=RC0402FR-0762RL, Package Size="0402 (1005 Metric)", Rated Power="0.063W, 1/16W", Temperature Coefficient=100ppm/C, Tolerance=1%, CLASS=DISCRETE, PART_NUMBER=TMP-420
R32: library part RES, "RES SMD 34.8K OHM 1% 1/16W 0402", Manufacturer=Yageo, Manufacturer PN=RC0402FR-0734K8L, Package Size="0402 (1005 Metric)", Rated Power="0.063W, 1/16W", Temperature Coefficient=100ppm/C, Tolerance=1%, CLASS=DISCRETE, PART_NUMBER=TMP-415
R33: library part RES, "RES SMD 300 OHM 1% 1/16W 0402", Manufacturer=Yageo, Manufacturer PN=RC0402FR-07300RL, Package Size="0402 (1005 Metric)", Rated Power="0.063W, 1/16W", Temperature Coefficient=100ppm/C, Tolerance=1%, CLASS=DISCRETE, PART_NUMBER=TMP-418
R34 R38 R40 R43 R47 R50: library part RES, "RES SMD 33 OHM 1% 1/10W 0603", Manufacturer=Yageo, Manufacturer PN=9C06031A33R0FKHFT, Package Size="0603 (1608 Metric)", Rated Power="0.1W, 1/10W", Temperature Coefficient=100ppm/C, Tolerance=1%, ALT_SYMBOLS=r_0603_hd, CLASS=DISCRETE, PART_NUMBER=TMP-266
R36: library part RES, "RES SMD 8.2K OHM 5% 1/16W 0402", Manufacturer=Yageo, Manufacturer PN=RC0402JR-078K2L, Package Size="0402 (1005 Metric)", Rated Power="0.063W, 1/16W", Temperature Coefficient=100ppm/C, Tolerance=5%, CLASS=DISCRETE, PART_NUMBER=RES-00000047
R37 R44 R51: library part RES, "RES SMD 1 OHM 5% 1/8W 0805", Manufacturer="Panasonic Electronic Components", Manufacturer PN=ERJ-6GEYJ1R0V, Package Size="0805 (2012 Metric)", Rated Power="0.125W, 1/8W", Temperature Coefficient="-100/ +600ppm/C", Tolerance=5%, CLASS=DISCRETE, PART_NUMBER=TMP-430
R42: library part RES, "RES SMD 52.3K OHM 1% 1/16W 0402", Manufacturer="Samsung Electro-Mechanics", Manufacturer PN=RC1005F5232CS, Package Size="0402 (1005 Metric)", Rated Power="0.063W, 1/16W", Temperature Coefficient=100ppm/C, Tolerance=1%, CLASS=DISCRETE, PART_NUMBER=TMP-447
R49: library part RES, "RES SMD 30.9K OHM 1% 1/10W 0402", Manufacturer="Panasonic Electronic Components", Manufacturer PN=ERJ-2RKF3092X, Package Size="0402 (1005 Metric)", Rated Power="0.1W, 1/10W", Temperature Coefficient=100ppm/C, Tolerance=1%, CLASS=DISCRETE, PART_NUMBER=TMP-448
R54 R55 R56: library part RES, "RES 0.003 OHM 1% 3W 2512", Manufacturer=ROHM, Manufacturer PN=PSR100KTQFL3L00, Package Size="2512 (6432 Metric)", Rated Power=3W, Temperature Coefficient=50ppm/C, Tolerance=1%, CLASS=DISCRETE, PART_NUMBER=TMP-766
R57 R58 R59 R80 R81 R82: library part RES, "RES SMD 2.2K OHM 1% 1/16W 0402", Manufacturer=Yageo, Manufacturer PN=RC0402FR-072K2L, Package Size="0402 (1005 Metric)", Rated Power="0.063W, 1/16W", Temperature Coefficient=100ppm/C, Tolerance=1%, CLASS=DISCRETE, PART_NUMBER=TMP-444
R61 R62 R63: library part RES, "RES SMD 10K OHM 1% 1/10W 0603", Manufacturer=Yageo, Manufacturer PN=RC0603FR-0710KL, Package Size="0603 (1608 Metric)", Rated Power="0.1W, 1/10W", Temperature Coefficient=100ppm/C, Tolerance=1%, ALT_SYMBOLS=r_0603_hd, CLASS=DISCRETE, PART_NUMBER=RES-00000015